# Altium PCB rev5.PcbDoc (part 2 of 3)
Units mil, origin at the board's own origin, x right, y up, seen from the top; angles counter-clockwise.
Board outline 1000 x 900 mil, 2 copper layers (Top Layer, Bottom Layer); 120 components, 16 nets, 1280 pads, 0 vias.
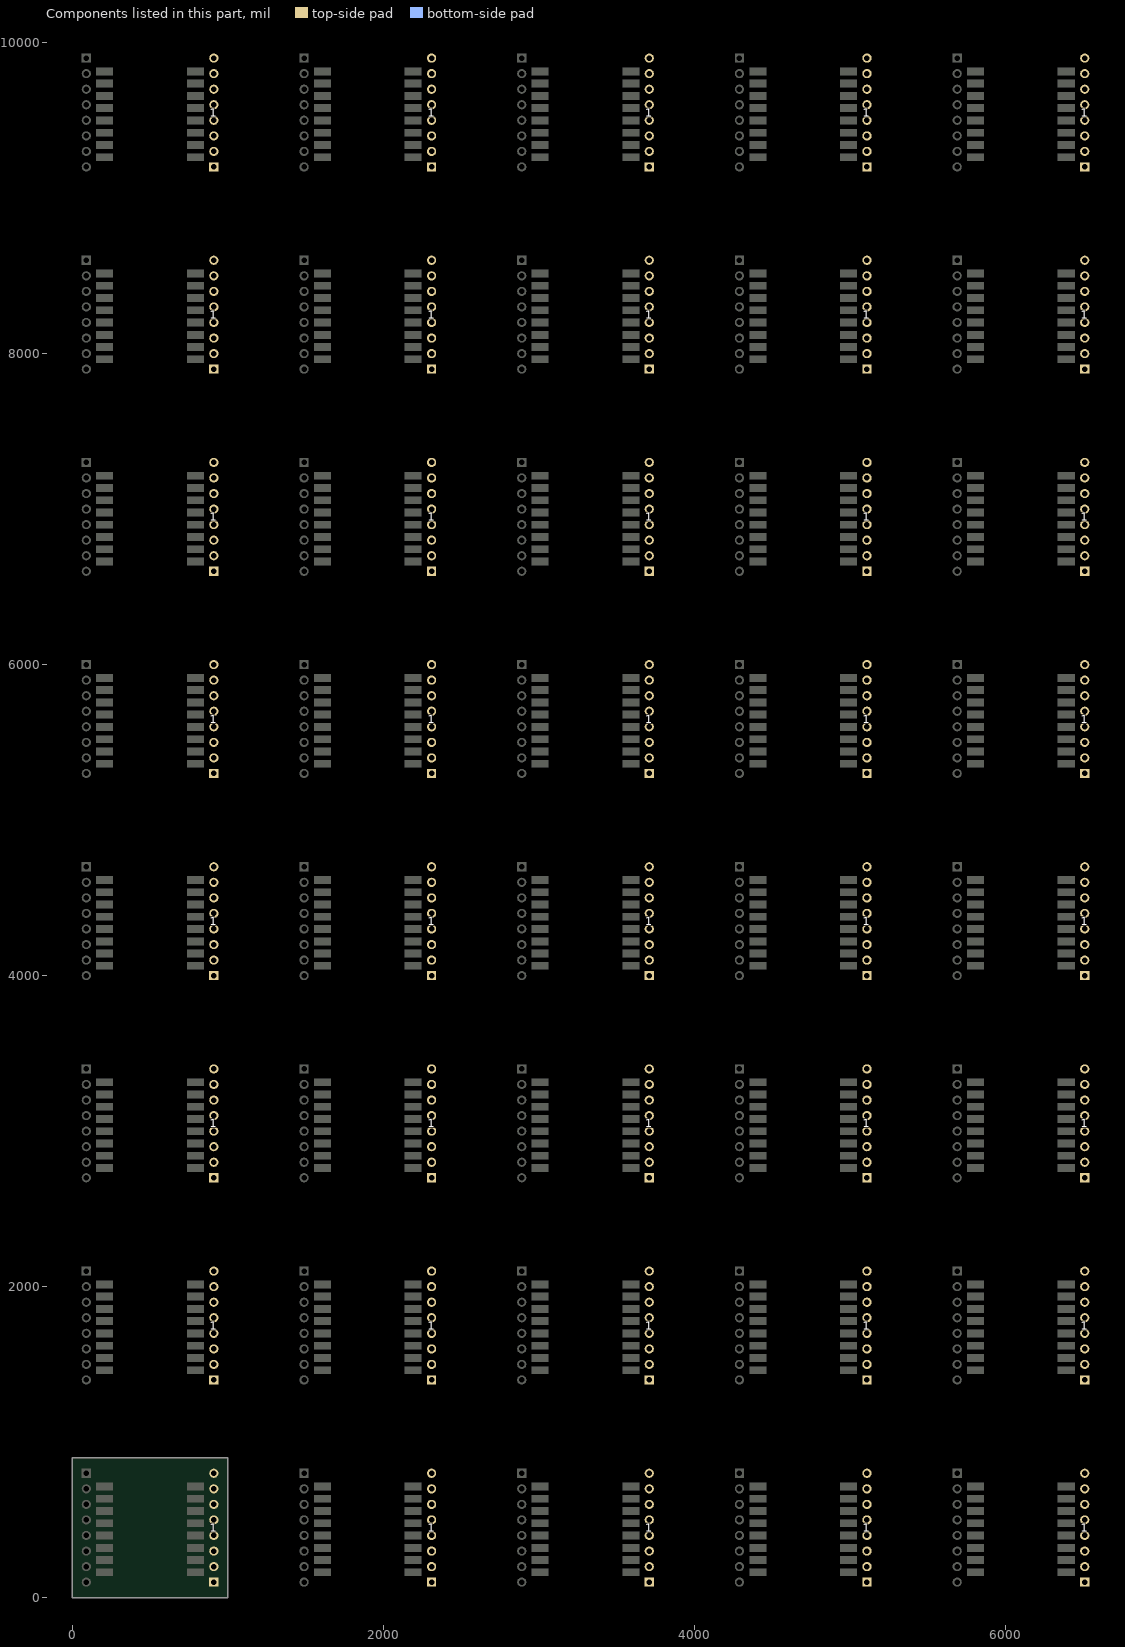
[diagram p2: the components of this part, seen from the top]

## Nets (pads, with @x,y where several pads share a name; then routed paths per layer and width w, separated by ;. In a path a pad name is that pad's centre, name@x,y a point inside that pad or via, vN(x,y) a via of type N, cw(c..) or ccw(c..) an arc to the next point about the centre after c; other vN are vias at no path point) (continued)
copper on no net: | length 86310.4
  Top Layer w20: 90,1400 153,1463 208,1463 ; 90,1500 132,1542 208,1542 ; 90,1600 139,1600 159,1620 208,1620 ; 90,1700 148,1700 149,1699 208,1699 ; 90,1800 111.63,1778.37 208,1778.37 ; 90,1900 132.89,1857.11 208,1857.11 ; 90,2000 154.15,1935.85 208,1935.85 ; 90,2100 158,2100 208,2050 208,2014.59 ; 90,2700 153,2763 208,2763 ; 90,2800 132,2842 208,2842 ; 90,2900 139,2900 159,2920 208,2920 ; 90,3000 148,3000 149,2999 208,2999 ; 90,3100 111.63,3078.37 208,3078.37 ; 90,3200 132.89,3157.11 208,3157.11 ; 90,3300 154.15,3235.85 208,3235.85 ; 90,3400 158,3400 208,3350 208,3314.59 ; 90,4000 153,4063 208,4063 ; 90,4100 132,4142 208,4142 ; 90,4200 139,4200 159,4220 208,4220 ; 90,4300 148,4300 149,4299 208,4299 ; 90,4400 111.63,4378.37 208,4378.37 ; 90,4500 132.89,4457.11 208,4457.11 ; 90,4600 154.15,4535.85 208,4535.85 ; 90,4700 158,4700 208,4650 208,4614.59 ; 90,5300 153,5363 208,5363 ; 90,5400 132,5442 208,5442 ; 90,5500 139,5500 159,5520 208,5520 ; 90,5600 148,5600 149,5599 208,5599 ; 90,5700 111.63,5678.37 208,5678.37 ; 90,5800 132.89,5757.11 208,5757.11 ; 90,5900 154.15,5835.85 208,5835.85 ; 90,6000 158,6000 208,5950 208,5914.59 ; 90,6600 153,6663 208,6663 ; 90,6700 132,6742 208,6742 ; 90,6800 139,6800 159,6820 208,6820 ; 90,6900 148,6900 149,6899 208,6899 ; 90,7000 111.63,6978.37 208,6978.37 ; 90,7100 132.89,7057.11 208,7057.11 ; 90,7200 154.15,7135.85 208,7135.85 ; 90,7300 158,7300 208,7250 208,7214.59 ; 90,7900 153,7963 208,7963 ; 90,8000 132,8042 208,8042 ; 90,8100 139,8100 159,8120 208,8120 ; 90,8200 148,8200 149,8199 208,8199 ; 90,8300 111.63,8278.37 208,8278.37 ; 90,8400 132.89,8357.11 208,8357.11 ; 90,8500 154.15,8435.85 208,8435.85 ; 90,8600 158,8600 208,8550 208,8514.59 ; 90,9200 153,9263 208,9263 ; 90,9300 132,9342 208,9342 ; 90,9400 139,9400 159,9420 208,9420 ; 90,9500 148,9500 149,9499 208,9499 ; 90,9600 111.63,9578.37 208,9578.37 ; 90,9700 132.89,9657.11 208,9657.11 ; 90,9800 154.15,9735.85 208,9735.85 ; 90,9900 158,9900 208,9850 208,9814.59 ; 791.34,1463 847,1463 910,1400 ; 791.34,1542 868,1542 910,1500 ; 791.34,1620 890,1620 910,1600 ; 791.34,1699 850,1699 851,1700 910,1700 ; 791.34,1778.37 888.37,1778.37 910,1800 ; 791.34,1857.11 867.11,1857.11 910,1900 ; 791.34,1935.85 850,1935.85 850,1940 910,2000 ; 791.34,2014.59 850,2014.59 850,2040 910,2100 ; 791.34,2763 847,2763 910,2700 ; 791.34,2842 868,2842 910,2800 ; 791.34,2920 890,2920 910,2900 ; 791.34,2999 850,2999 851,3000 910,3000 ; 791.34,3078.37 888.37,3078.37 910,3100 ; 791.34,3157.11 867.11,3157.11 910,3200 ; 791.34,3235.85 850,3235.85 850,3240 910,3300 ; 791.34,3314.59 850,3314.59 850,3340 910,3400 ; 791.34,4063 847,4063 910,4000 ; 791.34,4142 868,4142 910,4100 ; 791.34,4220 890,4220 910,4200 ; 791.34,4299 850,4299 851,4300 910,4300 ; 791.34,4378.37 888.37,4378.37 910,4400 ; 791.34,4457.11 867.11,4457.11 910,4500 ; 791.34,4535.85 850,4535.85 850,4540 910,4600 ; 791.34,4614.59 850,4614.59 850,4640 910,4700 ; 791.34,5363 847,5363 910,5300 ; 791.34,5442 868,5442 910,5400 ; 791.34,5520 890,5520 910,5500 ; 791.34,5599 850,5599 851,5600 910,5600 ; 791.34,5678.37 888.37,5678.37 910,5700 ; 791.34,5757.11 867.11,5757.11 910,5800 ; 791.34,5835.85 850,5835.85 850,5840 910,5900 ; 791.34,5914.59 850,5914.59 850,5940 910,6000 ; 791.34,6663 847,6663 910,6600 ; 791.34,6742 868,6742 910,6700 ; 791.34,6820 890,6820 910,6800 ; 791.34,6899 850,6899 851,6900 910,6900 ; 791.34,6978.37 888.37,6978.37 910,7000 ; 791.34,7057.11 867.11,7057.11 910,7100 ; 791.34,7135.85 850,7135.85 850,7140 910,7200 ; 791.34,7214.59 850,7214.59 850,7240 910,7300 ; 791.34,7963 847,7963 910,7900 ; 791.34,8042 868,8042 910,8000 ; 791.34,8120 890,8120 910,8100 ; 791.34,8199 850,8199 851,8200 910,8200 ; 791.34,8278.37 888.37,8278.37 910,8300 ; 791.34,8357.11 867.11,8357.11 910,8400 ; 791.34,8435.85 850,8435.85 850,8440 910,8500 ; 791.34,8514.59 850,8514.59 850,8540 910,8600 ; 791.34,9263 847,9263 910,9200 ; 791.34,9342 868,9342 910,9300 ; 791.34,9420 890,9420 910,9400 ; 791.34,9499 850,9499 851,9500 910,9500 ; 791.34,9578.37 888.37,9578.37 910,9600 ; 791.34,9657.11 867.11,9657.11 910,9700 ; 791.34,9735.85 850,9735.85 850,9740 910,9800 ; 791.34,9814.59 850,9814.59 850,9840 910,9900 ; 1490,100 1553,163 1608,163 ; 1490,200 1532,242 1608,242 ; 1490,300 1539,300 1559,320 1608,320 ; 1490,400 1548,400 1549,399 1608,399 ; 1490,500 1511.63,478.37 1608,478.37 ; 1490,600 1532.89,557.11 1608,557.11 ; 1490,700 1554.15,635.85 1608,635.85 ; 1490,800 1558,800 1608,750 1608,714.59 ; 1490,1400 1553,1463 1608,1463 ; 1490,1500 1532,1542 1608,1542 ; 1490,1600 1539,1600 1559,1620 1608,1620 ; 1490,1700 1548,1700 1549,1699 1608,1699 ; 1490,1800 1511.63,1778.37 1608,1778.37 ; 1490,1900 1532.89,1857.11 1608,1857.11 ; 1490,2000 1554.15,1935.85 1608,1935.85 ; 1490,2100 1558,2100 1608,2050 1608,2014.59 ; 1490,2700 1553,2763 1608,2763 ; 1490,2800 1532,2842 1608,2842 ; 1490,2900 1539,2900 1559,2920 1608,2920 ; 1490,3000 1548,3000 1549,2999 1608,2999 ; 1490,3100 1511.63,3078.37 1608,3078.37 ; 1490,3200 1532.89,3157.11 1608,3157.11 ; 1490,3300 1554.15,3235.85 1608,3235.85 ; 1490,3400 1558,3400 1608,3350 1608,3314.59 ; 1490,4000 1553,4063 1608,4063 ; 1490,4100 1532,4142 1608,4142 ; 1490,4200 1539,4200 1559,4220 1608,4220 ; 1490,4300 1548,4300 1549,4299 1608,4299 ; 1490,4400 1511.63,4378.37 1608,4378.37 ; 1490,4500 1532.89,4457.11 1608,4457.11 ; 1490,4600 1554.15,4535.85 1608,4535.85 ; 1490,4700 1558,4700 1608,4650 1608,4614.59 ; 1490,5300 1553,5363 1608,5363 ; 1490,5400 1532,5442 1608,5442 ; 1490,5500 1539,5500 1559,5520 1608,5520 ; 1490,5600 1548,5600 1549,5599 1608,5599 ; 1490,5700 1511.63,5678.37 1608,5678.37 ; 1490,5800 1532.89,5757.11 1608,5757.11 ; 1490,5900 1554.15,5835.85 1608,5835.85 ; 1490,6000 1558,6000 1608,5950 1608,5914.59 ; 1490,6600 1553,6663 1608,6663 ; 1490,6700 1532,6742 1608,6742 ; 1490,6800 1539,6800 1559,6820 1608,6820 ; 1490,6900 1548,6900 1549,6899 1608,6899 ; 1490,7000 1511.63,6978.37 1608,6978.37 ; 1490,7100 1532.89,7057.11 1608,7057.11 ; 1490,7200 1554.15,7135.85 1608,7135.85 ; 1490,7300 1558,7300 1608,7250 1608,7214.59 ; 1490,7900 1553,7963 1608,7963 ; 1490,8000 1532,8042 1608,8042 ; 1490,8100 1539,8100 1559,8120 1608,8120 ; 1490,8200 1548,8200 1549,8199 1608,8199 ; 1490,8300 1511.63,8278.37 1608,8278.37 ; 1490,8400 1532.89,8357.11 1608,8357.11 ; 1490,8500 1554.15,8435.85 1608,8435.85 ; 1490,8600 1558,8600 1608,8550 1608,8514.59 ; 1490,9200 1553,9263 1608,9263 ; 1490,9300 1532,9342 1608,9342 ; 1490,9400 1539,9400 1559,9420 1608,9420 ; 1490,9500 1548,9500 1549,9499 1608,9499 ; 1490,9600 1511.63,9578.37 1608,9578.37 ; 1490,9700 1532.89,9657.11 1608,9657.11 ; 1490,9800 1554.15,9735.85 1608,9735.85 ; 1490,9900 1558,9900 1608,9850 1608,9814.59 ; 2191.34,163 2247,163 2310,100 ; 2191.34,242 2268,242 2310,200 ; 2191.34,320 2290,320 2310,300 ; 2191.34,399 2250,399 2251,400 2310,400 ; 2191.34,478.37 2288.37,478.37 2310,500 ; 2191.34,557.11 2267.11,557.11 2310,600 ; 2191.34,635.85 2250,635.85 2250,640 2310,700 ; 2191.34,714.59 2250,714.59 2250,740 2310,800 ; 2191.34,1463 2247,1463 2310,1400 ; 2191.34,1542 2268,1542 2310,1500 ; 2191.34,1620 2290,1620 2310,1600 ; 2191.34,1699 2250,1699 2251,1700 2310,1700 ; 2191.34,1778.37 2288.37,1778.37 2310,1800 ; 2191.34,1857.11 2267.11,1857.11 2310,1900 ; 2191.34,1935.85 2250,1935.85 2250,1940 2310,2000 ; 2191.34,2014.59 2250,2014.59 2250,2040 2310,2100 ; 2191.34,2763 2247,2763 2310,2700 ; 2191.34,2842 2268,2842 2310,2800 ; 2191.34,2920 2290,2920 2310,2900 ; 2191.34,2999 2250,2999 2251,3000 2310,3000 ; 2191.34,3078.37 2288.37,3078.37 2310,3100 ; 2191.34,3157.11 2267.11,3157.11 2310,3200 ; 2191.34,3235.85 2250,3235.85 2250,3240 2310,3300 ; 2191.34,3314.59 2250,3314.59 2250,3340 2310,3400 ; 2191.34,4063 2247,4063 2310,4000 ; 2191.34,4142 2268,4142 2310,4100 ; 2191.34,4220 2290,4220 2310,4200 ; 2191.34,4299 2250,4299 2251,4300 2310,4300 ; 2191.34,4378.37 2288.37,4378.37 2310,4400 ; 2191.34,4457.11 2267.11,4457.11 2310,4500 ; 2191.34,4535.85 2250,4535.85 2250,4540 2310,4600 ; 2191.34,4614.59 2250,4614.59 2250,4640 2310,4700 ; 2191.34,5363 2247,5363 2310,5300 ; 2191.34,5442 2268,5442 2310,5400 ; 2191.34,5520 2290,5520 2310,5500 ; 2191.34,5599 2250,5599 2251,5600 2310,5600 ; 2191.34,5678.37 2288.37,5678.37 2310,5700 ; 2191.34,5757.11 2267.11,5757.11 2310,5800 ; 2191.34,5835.85 2250,5835.85 2250,5840 2310,5900 ; 2191.34,5914.59 2250,5914.59 2250,5940 2310,6000 ; 2191.34,6663 2247,6663 2310,6600 ; 2191.34,6742 2268,6742 2310,6700 ; 2191.34,6820 2290,6820 2310,6800 ; 2191.34,6899 2250,6899 2251,6900 2310,6900 ; 2191.34,6978.37 2288.37,6978.37 2310,7000 ; 2191.34,7057.11 2267.11,7057.11 2310,7100 ; 2191.34,7135.85 2250,7135.85 2250,7140 2310,7200 ; 2191.34,7214.59 2250,7214.59 2250,7240 2310,7300 ; 2191.34,7963 2247,7963 2310,7900 ; 2191.34,8042 2268,8042 2310,8000 ; 2191.34,8120 2290,8120 2310,8100 ; 2191.34,8199 2250,8199 2251,8200 2310,8200 ; 2191.34,8278.37 2288.37,8278.37 2310,8300 ; 2191.34,8357.11 2267.11,8357.11 2310,8400 ; 2191.34,8435.85 2250,8435.85 2250,8440 2310,8500 ; 2191.34,8514.59 2250,8514.59 2250,8540 2310,8600 ; 2191.34,9263 2247,9263 2310,9200 ; 2191.34,9342 2268,9342 2310,9300 ; 2191.34,9420 2290,9420 2310,9400 ; 2191.34,9499 2250,9499 2251,9500 2310,9500 ; 2191.34,9578.37 2288.37,9578.37 2310,9600 ; 2191.34,9657.11 2267.11,9657.11 2310,9700 ; 2191.34,9735.85 2250,9735.85 2250,9740 2310,9800 ; 2191.34,9814.59 2250,9814.59 2250,9840 2310,9900 ; 2890,100 2953,163 3008,163 ; 2890,200 2932,242 3008,242 ; 2890,300 2939,300 2959,320 3008,320 ; 2890,400 2948,400 2949,399 3008,399 ; 2890,500 2911.63,478.37 3008,478.37 ; 2890,600 2932.89,557.11 3008,557.11 ; 2890,700 2954.15,635.85 3008,635.85 ; 2890,800 2958,800 3008,750 3008,714.59 ; 2890,1400 2953,1463 3008,1463 ; 2890,1500 2932,1542 3008,1542 ; 2890,1600 2939,1600 2959,1620 3008,1620 ; 2890,1700 2948,1700 2949,1699 3008,1699 ; 2890,1800 2911.63,1778.37 3008,1778.37 ; 2890,1900 2932.89,1857.11 3008,1857.11 ; 2890,2000 2954.15,1935.85 3008,1935.85 ; 2890,2100 2958,2100 3008,2050 3008,2014.59 ; 2890,2700 2953,2763 3008,2763 ; 2890,2800 2932,2842 3008,2842 ; 2890,2900 2939,2900 2959,2920 3008,2920 ; 2890,3000 2948,3000 2949,2999 3008,2999 ; 2890,3100 2911.63,3078.37 3008,3078.37 ; 2890,3200 2932.89,3157.11 3008,3157.11 ; 2890,3300 2954.15,3235.85 3008,3235.85 ; 2890,3400 2958,3400 3008,3350 3008,3314.59 ; 2890,4000 2953,4063 3008,4063 ; 2890,4100 2932,4142 3008,4142 ; 2890,4200 2939,4200 2959,4220 3008,4220 ; 2890,4300 2948,4300 2949,4299 3008,4299 ; 2890,4400 2911.63,4378.37 3008,4378.37 ; 2890,4500 2932.89,4457.11 3008,4457.11 ; 2890,4600 2954.15,4535.85 3008,4535.85 ; 2890,4700 2958,4700 3008,4650 3008,4614.59 ; 2890,5300 2953,5363 3008,5363 ; 2890,5400 2932,5442 3008,5442 ; 2890,5500 2939,5500 2959,5520 3008,5520 ; 2890,5600 2948,5600 2949,5599 3008,5599 ; 2890,5700 2911.63,5678.37 3008,5678.37 ; 2890,5800 2932.89,5757.11 3008,5757.11 ; 2890,5900 2954.15,5835.85 3008,5835.85 ; 2890,6000 2958,6000 3008,5950 3008,5914.59 ; 2890,6600 2953,6663 3008,6663 ; 2890,6700 2932,6742 3008,6742 ; 2890,6800 2939,6800 2959,6820 3008,6820 ; 2890,6900 2948,6900 2949,6899 3008,6899 ; 2890,7000 2911.63,6978.37 3008,6978.37 ; 2890,7100 2932.89,7057.11 3008,7057.11 ; 2890,7200 2954.15,7135.85 3008,7135.85 ; 2890,7300 2958,7300 3008,7250 3008,7214.59 ; 2890,7900 2953,7963 3008,7963 ; 2890,8000 2932,8042 3008,8042 ; 2890,8100 2939,8100 2959,8120 3008,8120 ; 2890,8200 2948,8200 2949,8199 3008,8199 ; 2890,8300 2911.63,8278.37 3008,8278.37 ; 2890,8400 2932.89,8357.11 3008,8357.11 ; 2890,8500 2954.15,8435.85 3008,8435.85 ; 2890,8600 2958,8600 3008,8550 3008,8514.59 ; 2890,9200 2953,9263 3008,9263 ; 2890,9300 2932,9342 3008,9342 ; 2890,9400 2939,9400 2959,9420 3008,9420 ; 2890,9500 2948,9500 2949,9499 3008,9499 ; 2890,9600 2911.63,9578.37 3008,9578.37 ; 2890,9700 2932.89,9657.11 3008,9657.11 ; 2890,9800 2954.15,9735.85 3008,9735.85 ; 2890,9900 2958,9900 3008,9850 3008,9814.59 ; 3591.34,163 3647,163 3710,100 ; 3591.34,242 3668,242 3710,200 ; 3591.34,320 3690,320 3710,300 ; 3591.34,399 3650,399 3651,400 3710,400 ; 3591.34,478.37 3688.37,478.37 3710,500 ; 3591.34,557.11 3667.11,557.11 3710,600 ; 3591.34,635.85 3650,635.85 3650,640 3710,700 ; 3591.34,714.59 3650,714.59 3650,740 3710,800 ; 3591.34,1463 3647,1463 3710,1400 ; 3591.34,1542 3668,1542 3710,1500 ; 3591.34,1620 3690,1620 3710,1600 ; 3591.34,1699 3650,1699 3651,1700 3710,1700 ; 3591.34,1778.37 3688.37,1778.37 3710,1800 ; 3591.34,1857.11 3667.11,1857.11 3710,1900 ; 3591.34,1935.85 3650,1935.85 3650,1940 3710,2000 ; 3591.34,2014.59 3650,2014.59 3650,2040 3710,2100 ; 3591.34,2763 3647,2763 3710,2700 ; 3591.34,2842 3668,2842 3710,2800 ; 3591.34,2920 3690,2920 3710,2900 ; 3591.34,2999 3650,2999 3651,3000 3710,3000 ; 3591.34,3078.37 3688.37,3078.37 3710,3100 ; 3591.34,3157.11 3667.11,3157.11 3710,3200 ; 3591.34,3235.85 3650,3235.85 3650,3240 3710,3300 ; 3591.34,3314.59 3650,3314.59 3650,3340 3710,3400 ; 3591.34,4063 3647,4063 3710,4000 ; 3591.34,4142 3668,4142 3710,4100 ; 3591.34,4220 3690,4220 3710,4200 ; 3591.34,4299 3650,4299 3651,4300 3710,4300 ; 3591.34,4378.37 3688.37,4378.37 3710,4400 ; 3591.34,4457.11 3667.11,4457.11 3710,4500 ; 3591.34,4535.85 3650,4535.85 3650,4540 3710,4600 ; 3591.34,4614.59 3650,4614.59 3650,4640 3710,4700 ; 3591.34,5363 3647,5363 3710,5300 ; 3591.34,5442 3668,5442 3710,5400 ; 3591.34,5520 3690,5520 3710,5500 ; 3591.34,5599 3650,5599 3651,5600 3710,5600 ; 3591.34,5678.37 3688.37,5678.37 3710,5700 ; 3591.34,5757.11 3667.11,5757.11 3710,5800 ; 3591.34,5835.85 3650,5835.85 3650,5840 3710,5900 ; 3591.34,5914.59 3650,5914.59 3650,5940 3710,6000 ; 3591.34,6663 3647,6663 3710,6600 ; 3591.34,6742 3668,6742 3710,6700 ; 3591.34,6820 3690,6820 3710,6800 ; 3591.34,6899 3650,6899 3651,6900 3710,6900 ; 3591.34,6978.37 3688.37,6978.37 3710,7000 ; 3591.34,7057.11 3667.11,7057.11 3710,7100 ; 3591.34,7135.85 3650,7135.85 3650,7140 3710,7200 ; 3591.34,7214.59 3650,7214.59 3650,7240 3710,7300 ; 3591.34,7963 3647,7963 3710,7900 ; 3591.34,8042 3668,8042 3710,8000 ; 3591.34,8120 3690,8120 3710,8100 ; 3591.34,8199 3650,8199 3651,8200 3710,8200 ; 3591.34,8278.37 3688.37,8278.37 3710,8300 ; 3591.34,8357.11 3667.11,8357.11 3710,8400 ; 3591.34,8435.85 3650,8435.85 3650,8440 3710,8500 ; 3591.34,8514.59 3650,8514.59 3650,8540 3710,8600 ; 3591.34,9263 3647,9263 3710,9200 ; 3591.34,9342 3668,9342 3710,9300 ; 3591.34,9420 3690,9420 3710,9400 ; 3591.34,9499 3650,9499 3651,9500 3710,9500 ; 3591.34,9578.37 3688.37,9578.37 3710,9600 ; 3591.34,9657.11 3667.11,9657.11 3710,9700 ; 3591.34,9735.85 3650,9735.85 3650,9740 3710,9800 ; 3591.34,9814.59 3650,9814.59 3650,9840 3710,9900 ; 4290,100 4353,163 4408,163 ; 4290,200 4332,242 4408,242 ; 4290,300 4339,300 4359,320 4408,320 ; 4290,400 4348,400 4349,399 4408,399 ; 4290,500 4311.63,478.37 4408,478.37 ; 4290,600 4332.89,557.11 4408,557.11 ; 4290,700 4354.15,635.85 4408,635.85 ; 4290,800 4358,800 4408,750 4408,714.59 ; 4290,1400 4353,1463 4408,1463 ; 4290,1500 4332,1542 4408,1542 ; 4290,1600 4339,1600 4359,1620 4408,1620 ; 4290,1700 4348,1700 4349,1699 4408,1699 ; 4290,1800 4311.63,1778.37 4408,1778.37 ; 4290,1900 4332.89,1857.11 4408,1857.11 ; 4290,2000 4354.15,1935.85 4408,1935.85 ; 4290,2100 4358,2100 4408,2050 4408,2014.59 ; 4290,2700 4353,2763 4408,2763 ; 4290,2800 4332,2842 4408,2842 ; 4290,2900 4339,2900 4359,2920 4408,2920 ; 4290,3000 4348,3000 4349,2999 4408,2999 ; 4290,3100 4311.63,3078.37 4408,3078.37 ; 4290,3200 4332.89,3157.11 4408,3157.11 ; 4290,3300 4354.15,3235.85 4408,3235.85 ; 4290,3400 4358,3400 4408,3350 4408,3314.59 ; 4290,4000 4353,4063 4408,4063 ; 4290,4100 4332,4142 4408,4142 ; 4290,4200 4339,4200 4359,4220 4408,4220 ; 4290,4300 4348,4300 4349,4299 4408,4299 ; 4290,4400 4311.63,4378.37 4408,4378.37 ; 4290,4500 4332.89,4457.11 4408,4457.11 ; 4290,4600 4354.15,4535.85 4408,4535.85 ; 4290,4700 4358,4700 4408,4650 4408,4614.59 ; 4290,5300 4353,5363 4408,5363 ; 4290,5400 4332,5442 4408,5442 ; 4290,5500 4339,5500 4359,5520 4408,5520 ; 4290,5600 4348,5600 4349,5599 4408,5599 ; 4290,5700 4311.63,5678.37 4408,5678.37 ; 4290,5800 4332.89,5757.11 4408,5757.11 ; 4290,5900 4354.15,5835.85 4408,5835.85 ; 4290,6000 4358,6000 4408,5950 4408,5914.59 ; 4290,6600 4353,6663 4408,6663 ; 4290,6700 4332,6742 4408,6742 ; 4290,6800 4339,6800 4359,6820 4408,6820 ; 4290,6900 4348,6900 4349,6899 4408,6899 ; 4290,7000 4311.63,6978.37 4408,6978.37 ; 4290,7100 4332.89,7057.11 4408,7057.11 ; 4290,7200 4354.15,7135.85 4408,7135.85 ; 4290,7300 4358,7300 4408,7250 4408,7214.59 ; 4290,7900 4353,7963 4408,7963 ; 4290,8000 4332,8042 4408,8042 ; 4290,8100 4339,8100 4359,8120 4408,8120 ; 4290,8200 4348,8200 4349,8199 4408,8199 ; 4290,8300 4311.63,8278.37 4408,8278.37 ; 4290,8400 4332.89,8357.11 4408,8357.11 ; 4290,8500 4354.15,8435.85 4408,8435.85 ; 4290,8600 4358,8600 4408,8550 4408,8514.59 ; 4290,9200 4353,9263 4408,9263 ; 4290,9300 4332,9342 4408,9342 ; 4290,9400 4339,9400 4359,9420 4408,9420 ; 4290,9500 4348,9500 4349,9499 4408,9499 ; 4290,9600 4311.63,9578.37 4408,9578.37 ; 4290,9700 4332.89,9657.11 4408,9657.11 ; 4290,9800 4354.15,9735.85 4408,9735.85 ; 4290,9900 4358,9900 4408,9850 4408,9814.59 ; 4991.34,163 5047,163 5110,100 ; 4991.34,242 5068,242 5110,200 ; 4991.34,320 5090,320 5110,300 ; 4991.34,399 5050,399 5051,400 5110,400 ; 4991.34,478.37 5088.37,478.37 5110,500 ; 4991.34,557.11 5067.11,557.11 5110,600 ; 4991.34,635.85 5050,635.85 5050,640 5110,700 ; 4991.34,714.59 5050,714.59 5050,740 5110,800 ; 4991.34,1463 5047,1463 5110,1400 ; 4991.34,1542 5068,1542 5110,1500 ; 4991.34,1620 5090,1620 5110,1600 ; 4991.34,1699 5050,1699 5051,1700 5110,1700 ; 4991.34,1778.37 5088.37,1778.37 5110,1800 ; 4991.34,1857.11 5067.11,1857.11 5110,1900 ; 4991.34,1935.85 5050,1935.85 5050,1940 5110,2000 ; 4991.34,2014.59 5050,2014.59 5050,2040 5110,2100 ; 4991.34,2763 5047,2763 5110,2700 ; 4991.34,2842 5068,2842 5110,2800 ; 4991.34,2920 5090,2920 5110,2900 ; 4991.34,2999 5050,2999 5051,3000 5110,3000 ; 4991.34,3078.37 5088.37,3078.37 5110,3100 ; 4991.34,3157.11 5067.11,3157.11 5110,3200 ; 4991.34,3235.85 5050,3235.85 5050,3240 5110,3300 ; 4991.34,3314.59 5050,3314.59 5050,3340 5110,3400 ; 4991.34,4063 5047,4063 5110,4000 ; 4991.34,4142 5068,4142 5110,4100 ; 4991.34,4220 5090,4220 5110,4200 ; 4991.34,4299 5050,4299 5051,4300 5110,4300 ; 4991.34,4378.37 5088.37,4378.37 5110,4400 ; 4991.34,4457.11 5067.11,4457.11 5110,4500 ; 4991.34,4535.85 5050,4535.85 5050,4540 5110,4600 ; 4991.34,4614.59 5050,4614.59 5050,4640 5110,4700 ; 4991.34,5363 5047,5363 5110,5300 ; 4991.34,5442 5068,5442 5110,5400 ; 4991.34,5520 5090,5520 5110,5500 ; 4991.34,5599 5050,5599 5051,5600 5110,5600 ; 4991.34,5678.37 5088.37,5678.37 5110,5700 ; 4991.34,5757.11 5067.11,5757.11 5110,5800 ; 4991.34,5835.85 5050,5835.85 5050,5840 5110,5900 ; 4991.34,5914.59 5050,5914.59 5050,5940 5110,6000 ; 4991.34,6663 5047,6663 5110,6600 ; 4991.34,6742 5068,6742 5110,6700 ; 4991.34,6820 5090,6820 5110,6800 ; 4991.34,6899 5050,6899 5051,6900 5110,6900 ; 4991.34,6978.37 5088.37,6978.37 5110,7000 ; 4991.34,7057.11 5067.11,7057.11 5110,7100 ; 4991.34,7135.85 5050,7135.85 5050,7140 5110,7200 ; 4991.34,7214.59 5050,7214.59 5050,7240 5110,7300 ; 4991.34,7963 5047,7963 5110,7900 ; 4991.34,8042 5068,8042 5110,8000 ; 4991.34,8120 5090,8120 5110,8100 ; 4991.34,8199 5050,8199 5051,8200 5110,8200 ; 4991.34,8278.37 5088.37,8278.37 5110,8300 ; 4991.34,8357.11 5067.11,8357.11 5110,8400 ; 4991.34,8435.85 5050,8435.85 5050,8440 5110,8500 ; 4991.34,8514.59 5050,8514.59 5050,8540 5110,8600 ; 4991.34,9263 5047,9263 5110,9200 ; 4991.34,9342 5068,9342 5110,9300 ; 4991.34,9420 5090,9420 5110,9400 ; 4991.34,9499 5050,9499 5051,9500 5110,9500 ; 4991.34,9578.37 5088.37,9578.37 5110,9600 ; 4991.34,9657.11 5067.11,9657.11 5110,9700 ; 4991.34,9735.85 5050,9735.85 5050,9740 5110,9800 ; 4991.34,9814.59 5050,9814.59 5050,9840 5110,9900 ; 5690,100 5753,163 5808,163 ; 5690,200 5732,242 5808,242 ; 5690,300 5739,300 5759,320 5808,320 ; 5690,400 5748,400 5749,399 5808,399 ; 5690,500 5711.63,478.37 5808,478.37 ; 5690,600 5732.89,557.11 5808,557.11 ; 5690,700 5754.15,635.85 5808,635.85 ; 5690,800 5758,800 5808,750 5808,714.59 ; 5690,1400 5753,1463 5808,1463 ; 5690,1500 5732,1542 5808,1542 ; 5690,1600 5739,1600 5759,1620 5808,1620 ; 5690,1700 5748,1700 5749,1699 5808,1699 ; 5690,1800 5711.63,1778.37 5808,1778.37 ; 5690,1900 5732.89,1857.11 5808,1857.11 ; 5690,2000 5754.15,1935.85 5808,1935.85 ; 5690,2100 5758,2100 5808,2050 5808,2014.59 ; 5690,2700 5753,2763 5808,2763 ; 5690,2800 5732,2842 5808,2842 ; 5690,2900 5739,2900 5759,2920 5808,2920 ; 5690,3000 5748,3000 5749,2999 5808,2999 ; 5690,3100 5711.63,3078.37 5808,3078.37 ; 5690,3200 5732.89,3157.11 5808,3157.11 ; 5690,3300 5754.15,3235.85 5808,3235.85 ; 5690,3400 5758,3400 5808,3350 5808,3314.59 ; 5690,4000 5753,4063 5808,4063 ; 5690,4100 5732,4142 5808,4142 ; 5690,4200 5739,4200 5759,4220 5808,4220 ; 5690,4300 5748,4300 5749,4299 5808,4299 ; 5690,4400 5711.63,4378.37 5808,4378.37 ; 5690,4500 5732.89,4457.11 5808,4457.11 ; 5690,4600 5754.15,4535.85 5808,4535.85 ; 5690,4700 5758,4700 5808,4650 5808,4614.59 ; 5690,5300 5753,5363 5808,5363 ; 5690,5400 5732,5442 5808,5442 ; 5690,5500 5739,5500 5759,5520 5808,5520 ; 5690,5600 5748,5600 5749,5599 5808,5599 ; 5690,5700 5711.63,5678.37 5808,5678.37 ; 5690,5800 5732.89,5757.11 5808,5757.11 ; 5690,5900 5754.15,5835.85 5808,5835.85 ; 5690,6000 5758,6000 5808,5950 5808,5914.59 ; 5690,6600 5753,6663 5808,6663 ; 5690,6700 5732,6742 5808,6742 ; 5690,6800 5739,6800 5759,6820 5808,6820 ; 5690,6900 5748,6900 5749,6899 5808,6899 ; 5690,7000 5711.63,6978.37 5808,6978.37 ; 5690,7100 5732.89,7057.11 5808,7057.11 ; 5690,7200 5754.15,7135.85 5808,7135.85 ; 5690,7300 5758,7300 5808,7250 5808,7214.59 ; 5690,7900 5753,7963 5808,7963 ; 5690,8000 5732,8042 5808,8042 ; 5690,8100 5739,8100 5759,8120 5808,8120 ; 5690,8200 5748,8200 5749,8199 5808,8199 ; 5690,8300 5711.63,8278.37 5808,8278.37 ; 5690,8400 5732.89,8357.11 5808,8357.11 ; 5690,8500 5754.15,8435.85 5808,8435.85 ; 5690,8600 5758,8600 5808,8550 5808,8514.59 ; 5690,9200 5753,9263 5808,9263 ; 5690,9300 5732,9342 5808,9342 ; 5690,9400 5739,9400 5759,9420 5808,9420 ; 5690,9500 5748,9500 5749,9499 5808,9499 ; 5690,9600 5711.63,9578.37 5808,9578.37 ; 5690,9700 5732.89,9657.11 5808,9657.11 ; 5690,9800 5754.15,9735.85 5808,9735.85 ; 5690,9900 5758,9900 5808,9850 5808,9814.59 ; 6391.34,163 6447,163 6510,100 ; 6391.34,242 6468,242 6510,200 ; 6391.34,320 6490,320 6510,300 ; 6391.34,399 6450,399 6451,400 6510,400 ; 6391.34,478.37 6488.37,478.37 6510,500 ; 6391.34,557.11 6467.11,557.11 6510,600 ; 6391.34,635.85 6450,635.85 6450,640 6510,700 ; 6391.34,714.59 6450,714.59 6450,740 6510,800 ; 6391.34,1463 6447,1463 6510,1400 ; 6391.34,1542 6468,1542 6510,1500 ; 6391.34,1620 6490,1620 6510,1600 ; 6391.34,1699 6450,1699 6451,1700 6510,1700 ; 6391.34,1778.37 6488.37,1778.37 6510,1800 ; 6391.34,1857.11 6467.11,1857.11 6510,1900 ; 6391.34,1935.85 6450,1935.85 6450,1940 6510,2000 ; 6391.34,2014.59 6450,2014.59 6450,2040 6510,2100 ; 6391.34,2763 6447,2763 6510,2700 ; 6391.34,2842 6468,2842 6510,2800 ; 6391.34,2920 6490,2920 6510,2900 ; 6391.34,2999 6450,2999 6451,3000 6510,3000 ; 6391.34,3078.37 6488.37,3078.37 6510,3100 ; 6391.34,3157.11 6467.11,3157.11 6510,3200 ; 6391.34,3235.85 6450,3235.85 6450,3240 6510,3300 ; 6391.34,3314.59 6450,3314.59 6450,3340 6510,3400 ; 6391.34,4063 6447,4063 6510,4000 ; 6391.34,4142 6468,4142 6510,4100 ; 6391.34,4220 6490,4220 6510,4200 ; 6391.34,4299 6450,4299 6451,4300 6510,4300 ; 6391.34,4378.37 6488.37,4378.37 6510,4400 ; 6391.34,4457.11 6467.11,4457.11 6510,4500 ; 6391.34,4535.85 6450,4535.85 6450,4540 6510,4600 ; 6391.34,4614.59 6450,4614.59 6450,4640 6510,4700 ; 6391.34,5363 6447,5363 6510,5300 ; 6391.34,5442 6468,5442 6510,5400 ; 6391.34,5520 6490,5520 6510,5500 ; 6391.34,5599 6450,5599 6451,5600 6510,5600 ; 6391.34,5678.37 6488.37,5678.37 6510,5700 ; 6391.34,5757.11 6467.11,5757.11 6510,5800 ; 6391.34,5835.85 6450,5835.85 6450,5840 6510,5900 ; 6391.34,5914.59 6450,5914.59 6450,5940 6510,6000 ; 6391.34,6663 6447,6663 6510,6600 ; 6391.34,6742 6468,6742 6510,6700 ; 6391.34,6820 6490,6820 6510,6800 ; 6391.34,6899 6450,6899 6451,6900 6510,6900 ; 6391.34,6978.37 6488.37,6978.37 6510,7000 ; 6391.34,7057.11 6467.11,7057.11 6510,7100 ; 6391.34,7135.85 6450,7135.85 6450,7140 6510,7200 ; 6391.34,7214.59 6450,7214.59 6450,7240 6510,7300 ; 6391.34,7963 6447,7963 6510,7900 ; 6391.34,8042 6468,8042 6510,8000 ; 6391.34,8120 6490,8120 6510,8100 ; 6391.34,8199 6450,8199 6451,8200 6510,8200 ; 6391.34,8278.37 6488.37,8278.37 6510,8300 ; 6391.34,8357.11 6467.11,8357.11 6510,8400 ; 6391.34,8435.85 6450,8435.85 6450,8440 6510,8500 ; 6391.34,8514.59 6450,8514.59 6450,8540 6510,8600 ; 6391.34,9263 6447,9263 6510,9200 ; 6391.34,9342 6468,9342 6510,9300 ; 6391.34,9420 6490,9420 6510,9400 ; 6391.34,9499 6450,9499 6451,9500 6510,9500 ; 6391.34,9578.37 6488.37,9578.37 6510,9600 ; 6391.34,9657.11 6467.11,9657.11 6510,9700 ; 6391.34,9735.85 6450,9735.85 6450,9740 6510,9800 ; 6391.34,9814.59 6450,9814.59 6450,9840 6510,9900